# Altium PCB nanoga_mezzanine.PcbDoc (part 2 of 3)
Units mm, origin at the board's own origin, x right, y up, seen from the top; angles counter-clockwise.
Board outline 100.05 x 34.55 mm, 6 copper layers (Top Layer, MidLayer1, MidLayer2, MidLayer3, MidLayer4, Bottom Layer), stack 1.096 mm thick; 318 components, 196 nets, 930 pads, 394 vias.
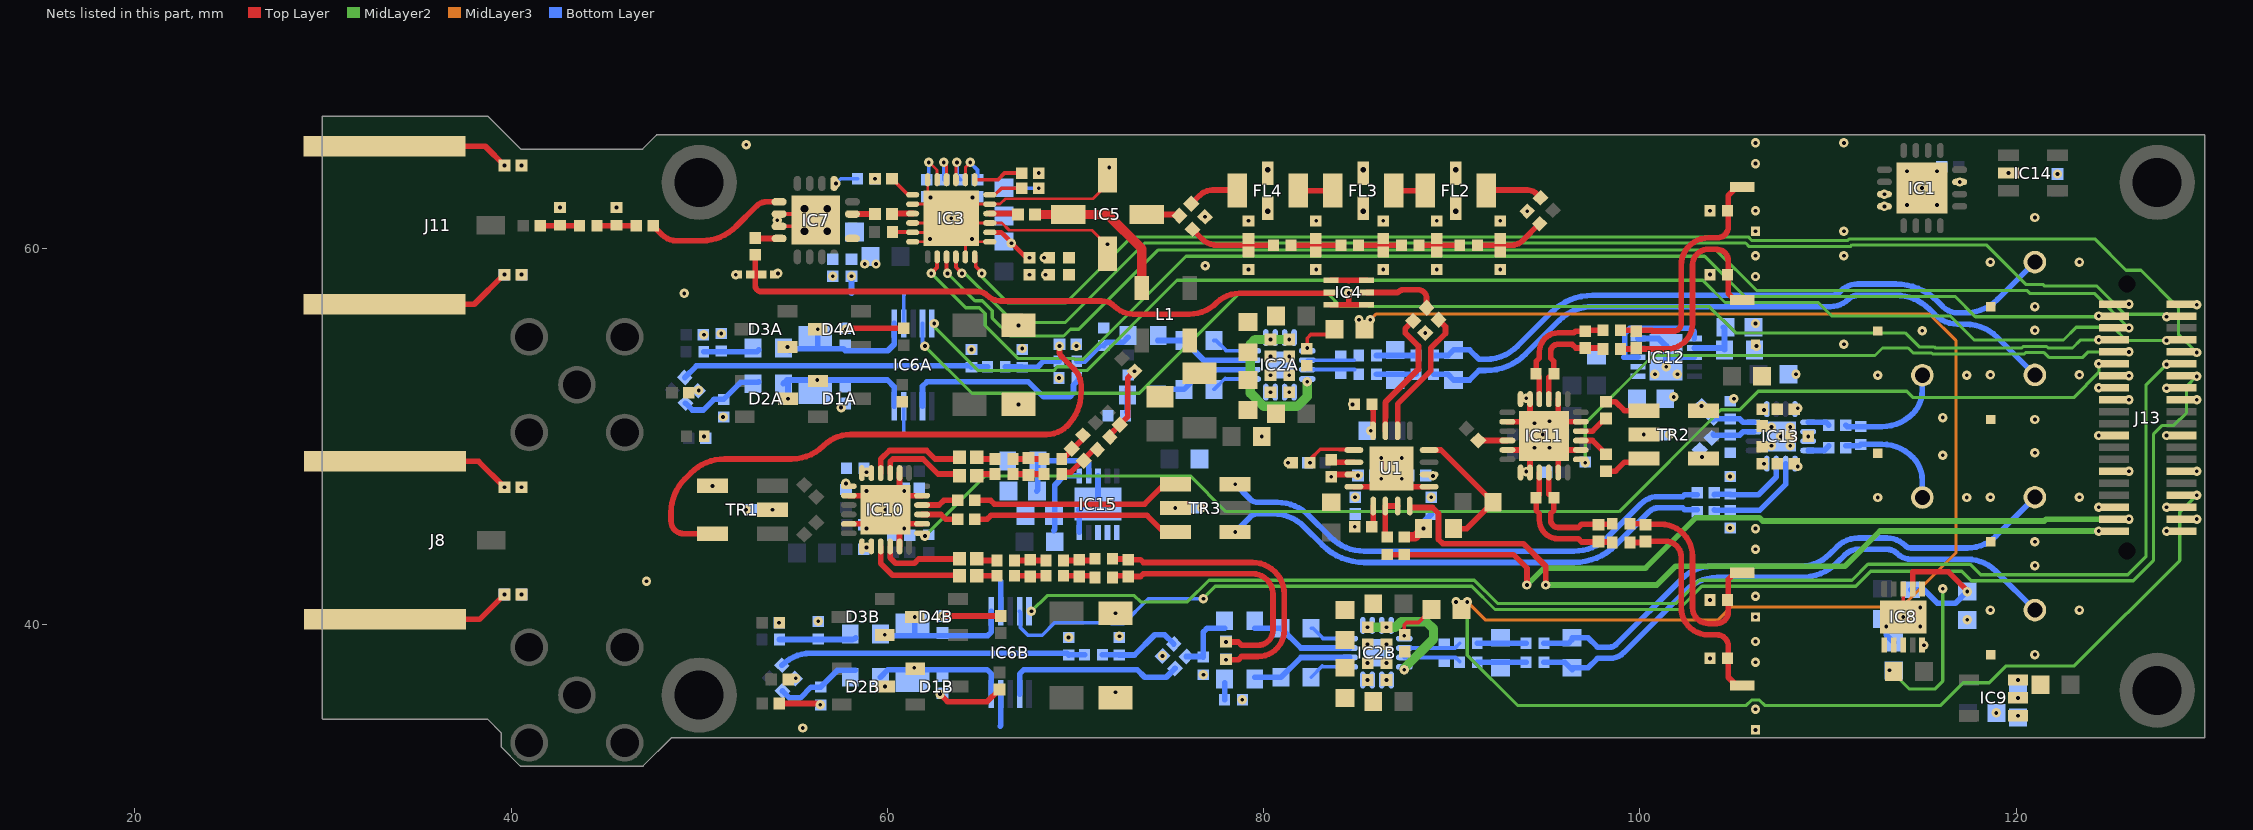
[diagram p6: the nets of this part, all layers, seen from the top]

## Part data (continued)
C78 C83 C86 C92: library part CC0402_10UF_6.3V_20%_X5R, "Non-polarised capacitor", Case=0402, Manufacturer=GENERIC, Manufacturer1 ComponentHeight=0.70mm, Manufacturer1 Example=TDK, Manufacturer1 Part Number=C1005X5R0J106M050BC, Tolerance=±10%, Voltage=6.3V, Author="CERN DEM JLC", Component Type=Standard, CreateDate=2015-01-07, HelpURL=\\cern.ch\dfs\Applications\Altium\Datasheets\CC0402_X5R_TDK_C.pdf, LatestRevisionDate=2015-01-07, Manufacturer Part Number=CC0402_10UF_6.3V_20%_X5R, Mounted=Yes, Part Description="SMD Multilayer Chip Ceramic Capacitor", Part Number=CC0402_10UF_6.3V_20%_X5R, Pin Count=2, Sense=No, SMD=Yes, Socket=No, Status=Preferred, TC=X5R
D1A D1B D2A D2B D3A D3B D4A D4B: "Serial Diode", Case=SOT23-3, Manufacturer="NXP SEMICONDUCTORS", Power=250mW, Voltage=75V, Author="CERN DEM JMW", Bonding=No, ComponentHeight=1.1mm, Component Type=Standard, CreateDate=2008-11-21, Device=BAV199, HelpURL=\\cern.ch\dfs\Applications\Altium\Datasheets\BAV199.pdf, LatestRevisionDate=2008-11-21, Manufacturer Part Number=BAV199, Mounted=Yes, PackageDescription="SOT23 3-Leads, Pitch 0.95mm - Body 1.4x3mm, IPC Medium Density", Part Description="Low-Leakage Double Diode", Part Number=BAV199, Pin Count=3, PressFit=No, Sense=No, SMD=Yes, Socket=No
FL2 FL3 FL4: library part FIL_MINI-CIRCUITS_LFCN-3000+, "50 Ohm DC to 3000MHz Low Pass Filter", Manufacturer=MINI-CIRCUITS, Manufacturer Part Number=LFCN-3000+, Author="CERN DEM JLC", ComponentHeight=0.94mm, Component Type=Standard, CreateDate=2013-12-09, HelpURL=\\cern.ch\dfs\Applications\Altium\Datasheets\FIL_MINI-CIRCUITS_LFCN-3000+.pdf, LatestRevisionDate=2013-12-09, Mounted=Yes, Part Description="50 Ohm Low Pass Filter", Part Number=FIL_MINI-CIRCUITS_LFCN-3000+, Pin Count=2, Sense=No, SMD=Yes, Socket=No, Status=None
IC1: "±0.25°C Accurate, 16-Bit Digital I2C Temperature Sensor", Case=QFN16, Manufacturer="ANALOG DEVICES", Author="CERN DEM JLC", Bonding=No, ComponentHeight=0.8mm, Component Type=Standard, CreateDate=2013-02-21, Device=ADT7420UCPZ-R2, HelpURL=\\cern.ch\dfs\Applications\Altium\Datasheets\ADT7420UCPZ-R2.pdf, LatestRevisionDate=2013-02-21, Manufacturer Part Number=ADT7420UCPZ-R2, Mounted=Yes, PackageDescription="QFN, 0.65mm Pitch, Square; 16 Pin, 4.00mm L X 4.00mm W X 0.80mm H Body (w/thermal tab 2.7 X 2.7mm),  IPC Medium Density", Part Description="-20° to +105°C ±0.25°C Accurate, 16-Bit Digital I2C Temperature Sensor", Part Number=ADT7420UCPZ-R2, Pin Count=8, PressFit=No, Sense=No, SMD=Yes, Socket=No
IC2A IC2B: "Ultralow Distortion Current Feedback Differential ADC Driver", Case=QFN16, Manufacturer="ANALOG DEVICES", Author="CERN DEM JLC", Bonding=No, ComponentHeight=1mm, Component Type=Standard, CreateDate=19.04.2010, Device=ADA4927-1YCPZ-R2, HelpURL=\\cern.ch\dfs\Applications\Altium\Datasheets\ADA4927-1YCPZ-R2.pdf, LatestRevisionDate=19.04.2010, Manufacturer Part Number=ADA4927-1YCPZ-R2, Mounted=Yes, PackageDescription="QFN,0.50mm pitch,square; 4 pin X 4 pin, 3mm X 3mm X 1.00mm H body (w/thermal tab 1.45 X 1.45mm),  IPC Medium Density", Part Description="Ultralow Distortion Current Feedback Differential ADC Driver", Part Number=ADA4927-1YCPZ-R2, Pin Count=17, PressFit=No, Sense=No, SMD=Yes, Socket=No
IC3: "0.5dB LSB GaAs MMIC 6-bit Digital Serial Control Attenuator, DC - 4GHz", Case=QFN24, Manufacturer="HITTITE MICROWAVE CORP", Author="CERN DEM JMW", Bonding=No, ComponentHeight=1mm, Component Type=Standard, CreateDate=2016-08-17, Device=HMC542BLP4E, HelpURL=\\cern.ch\dfs\Applications\Altium\Datasheets\HMC542BLP4E.pdf, LatestRevisionDate=2016-08-17, Manufacturer Part Number=HMC542BLP4E, Mounted=Yes, PackageDescription="QFN, 0.50mm Pitch, Square; 24 Pin, 4.00mm L X 4.00mm W X 1.00mm H Body (w/thermal Tab 2.95 X 2.95mm), IPC Medium Density", Part Description="0.5dB LSB GaAs MMIC 6-bit Digital Serial Control Attenuator, DC to 4GHz", Part Number=HMC542BLP4E, Pin Count=25, PressFit=No, Sense=No, SMD=Yes, Socket=No
IC4: "DC to 18GHz, 2W, 50 Ohm, 4dB Attenuator", Manufacturer=MINI-CIRCUITS, Author="CERN DEM JLC", Bonding=No, ComponentHeight=0.85mm, Component Type=Standard, CreateDate=2015-04-20, Device=YAT-12+, HelpURL=\\cern.ch\dfs\Applications\Altium\Datasheets\YAT-12+.pdf, LatestRevisionDate=2015-04-20, Manufacturer Part Number=YAT-12+, Mounted=Yes, PackageDescription="MINI-CIRCUITS MC1630 Case, 0.65mm pitch, 6 pin, 2mm X 2mm X 0.85mm H body (w/thermal tab 0.65 X 1.25mm)", Part Description="DC to 18GHz, 2W, 50 Ohms, 12dB Attenuator", Part Number=YAT-12+, Pin Count=7, PressFit=No, Sense=No, SMD=Yes, Socket=No
IC5: "DC-4GHz Monolithic Amplifier", Manufacturer=MINI-CIRCUITS, Author="CERN DEM JMW", Bonding=No, ComponentHeight=1.52mm, Component Type=Standard, CreateDate=11.08.2016, Device=ERA-4XSM+, HelpURL=\\cern.ch\dfs\Applications\Altium\Datasheets\ERA-4XSM+.pdf, LatestRevisionDate=11.08.2016, Manufacturer Part Number=ERA-4XSM+, Mounted=Yes, PackageDescription="MINI-CIRCUITS WW107 Case, Body 2.16mm Diameter X 1.52mm H", Part Description="DC-4GHz Monolithic Amplifier", Part Number=ERA-4XSM+, Pin Count=4, PressFit=No, Sense=No, SMD=Yes, Socket=No
IC6A IC6B: "10MHz, 20V/us, G= 1, 10, 100, 1000 iCMOS Programmable Gain Instrumentation Amplifier", Case=MSOP10, Manufacturer="ANALOG DEVICES", Author="CERN DEM JLC", Bonding=No, ComponentHeight=1.1mm, Component Type=Standard, CreateDate=2013-10-02, Device=AD8253ARMZ, HelpURL=\\cern.ch\dfs\Applications\Altium\Datasheets\AD8253ARMZ.pdf, LatestRevisionDate=2013-10-02, Manufacturer Part Number=AD8253ARMZ, Mounted=Yes, PackageDescription="MSOP, 10-Leads, Body 3.1x3.1mm (max), Pitch 0.50mm, IPC Medium Density", Part Description="10MHz, 20V/us, G= 1, 10, 100, 1000 iCMOS Programmable Gain Instrumentation Amplifier", Part Number=AD8253ARMZ, Pin Count=8, PressFit=No, Sense=No, SMD=Yes, Socket=No
IC7: "Hittite RF Switch, SPDT, Non-Reflective"
IC8 IC12 IC15: "20V, 500mA, Ultralow Noise, Ultrahigh PSRR Linear Regulator", Case=SON10, Manufacturer="LINEAR TECHNOLOGY", Author="CERN DEM JLC", Bonding=No, ComponentHeight=0.8mm, Component Type=Standard, CreateDate=2016-12-07, Device=LT3045EDD#PBF, HelpURL=\\cern.ch\dfs\Applications\Altium\Datasheets\LT3045EDD#PBF.pdf, LatestRevisionDate=2016-12-07, Manufacturer Part Number=LT3045EDD#PBF, Mounted=Yes, PackageDescription="SON, 0.50mm Pitch, 10-pin, 3.00mm W  X 3.00mm L X 0.80mm Height, (w/thermal tab 1.75 X 2.48 mm), IPC Medium Density", Part Description="20V, 500mA, Ultralow Noise, Ultrahigh PSRR Linear Regulator", Part Number=LT3045EDD#PBF, Pin Count=11, PressFit=No, Sense=No, SMD=Yes, Socket=No
IC9: "–5V, 200 mA, Low Noise, Linear Regulator", Case=SOT23-5, Manufacturer="ANALOG DEVICES", Author="CERN DEM JLC", Bonding=No, ComponentHeight=0.9mm, Component Type=Standard, CreateDate=17.03.2014, Device=ADP7182AUJZ-5.0-R7, HelpURL=\\cern.ch\dfs\Applications\Altium\Datasheets\ADP7182AUJZ-5.0-R7.pdf, LatestRevisionDate=17.03.2014, Manufacturer Part Number=ADP7182AUJZ-5.0-R7, Mounted=Yes, PackageDescription="SOT23, 0.95mm pitch; 5 pin, 1.75mm W X 3.00mm L, IPC Medium Density", Part Description="–5V, -200mA, Low Noise, Linear Regulator", Part Number=ADP7182AUJZ-5.0-R7, Pin Count=5, PressFit=No, Sense=No, SMD=Yes, Socket=No
IC10: "400 MHz to 6 GHz Quadrature Demodulator", Case=QFN24, Manufacturer="ANALOG DEVICES", Author="CERN DEM JLC", Bonding=No, ComponentHeight=1mm, Component Type=Standard, CreateDate=2011-01-24, Device=ADL5380ACPZ-R7, HelpURL=\\cern.ch\dfs\Applications\Altium\Datasheets\ADL5380ACPZ-R7.pdf, LatestRevisionDate=2011-01-24, Manufacturer Part Number=ADL5380ACPZ-R7, Mounted=Yes, PackageDescription="QFN,0.50mm pitch,square;6 pin X 6 pin,4.0mm X 4.0mm X 1.00mm H body (w/thermal tab 2.65 X 2.65mm),  IPC Medium Density", Part Description="400 MHz to 6 GHz Quadrature Demodulator", Part Number=ADL5380ACPZ-R7, Pin Count=25, PressFit=No, Sense=No, SMD=Yes, Socket=No
IC11: "400 MHz to 6 GHz Broadband Quadrature Modulator", Case=QFN24, Manufacturer="ANALOG DEVICES", Author="CERN DEM JLC", Bonding=No, ComponentHeight=1mm, Component Type=Standard, CreateDate=2010-08-24, Device=ADL5375-05ACPZ-R7, HelpURL=\\cern.ch\dfs\Applications\Altium\Datasheets\ADL5375-05ACPZ-R7.pdf, LatestRevisionDate=2010-08-24, Manufacturer Part Number=ADL5375-05ACPZ-R7, Mounted=Yes, PackageDescription="QFN,0.50mm pitch,square;6 pin X 6 pin,4.0mm X 4.0mm X 1.00mm H body (w/thermal tab 2.65 X 2.65mm),  IPC Medium Density", Part Description="400 MHz to 6 GHz Broadband Quadrature Modulator", Part Number=ADL5375-05ACPZ-R7, Pin Count=25, PressFit=No, Sense=No, SMD=Yes, Socket=No
IC13: "2.5V/3.3V, Four LVPECL Outputs, SiGe Clock Fanout Buffer", Case=QFN16, Manufacturer="ANALOG DEVICES", Author="CERN DEM JLC", Bonding=No, ComponentHeight=0.8mm, Component Type=Standard, CreateDate=2014-07-17, Device=ADCLK944BCPZ, HelpURL=\\cern.ch\dfs\Applications\Altium\Datasheets\ADCLK944BCPZ.pdf, LatestRevisionDate=2014-07-17, Manufacturer Part Number=ADCLK944BCPZ, Mounted=Yes, PackageDescription="QFN, 0.50mm Pitch, Square; 4 Pin X 4 Pin, 3mm X 3mm X 0.80mm H Body (w/Thermal tab 1.60 X 1.60mm),  IPC Medium Density", Part Description="2.5V/3.3V, Four LVPECL Outputs, SiGe Clock Fanout Buffer", Part Number=ADCLK944BCPZ, Pin Count=17, PressFit=No, Sense=No, SMD=Yes, Socket=No
IC14: "1.7V-5.5V, 2K I2C Serial EEPROM With EUI-48 Node Identity", Case=SOT23-5, Manufacturer="MICROCHIP TECHNOLOGY", Author="CERN DEM MR", Bonding=No, ComponentHeight=1.45mm, Component Type=Standard, CreateDate=31.03.2016, Device=24AA02E48T-I/OT, HelpURL=\\cern.ch\dfs\Applications\Altium\Datasheets\24AA02E48T-I-OT.pdf, LatestRevisionDate=31.03.2016, Manufacturer Part Number=24AA02E48T-I/OT, Mounted=Yes, PackageDescription="SOT, 0.95mm pitch; 5 pin, 1.60mm W X 2.90mm L X 1.45mm H body, IPC Medium Density", Part Description="1.7V-5.5V, 2K I2C Serial EEPROM With EUI-48 Node Identity", Part Number=24AA02E48T-I/OT, Pin Count=5, PressFit=No, Sense=No, SMD=Yes, Socket=No
J1 J3 J4 J6 J14 J15: "50 Ohms, SMP Surface/THT Mount Plug, Limited Detent", Manufacturer=AMPHENOL, Manufacturer Part Number=SMP-MSLD-PCT-10, Part Number=AMPHENOL_SMP-MSLD-PCT-10, Author=GK, ComponentHeight=4.1mm, Component Type=Standard, CreateDate=11.11.2016, Family=SMP, HelpURL=\\cern.ch\dfs\Applications\Altium\Datasheets\MOLEX_85305-0232.pdf, LatestRevisionDate=11.11.2016, Mounted=Yes, Part Description="50 Ohms, SMP Surface Mount Plug, Limited Detent", Pin Count=2, PressFit=No, Sense=No, SMD=No, Socket=No, Status=None
J2 J5: "RiSMA 50 Ohms Right Angle PCB Jack", Manufacturer=Telegartner, Manufacturer Part Number=J01151A0921, Part Number=Telegartner_J01151A0921, Author=GK, ComponentHeight=9.6mm, Component Type=Standard, CreateDate=11.11.2016, Family=SMA, HelpURL=\\cern.ch\dfs\Applications\Altium\Datasheets\HUBER-SUHNER_85_SMA-50-0-101-111_NE.pdf, LatestRevisionDate=11.11.2016, Mounted=Yes, Part Description="SMA 50 Ohms Right Angle PCB Jack", Pin Count=2, PressFit=No, Sense=No, SMD=No, Socket=No, Status=None
J7 J9 J10 J12: library part MOLEX_85305-0232, Manufacturer=MOLEX, Manufacturer Part Number=85305-0232, Author="CERN DEM JMW", ComponentHeight=4.1mm, Component Type=Standard, CreateDate=09.08.2016, Family=SMP, HelpURL=\\cern.ch\dfs\Applications\Altium\Datasheets\MOLEX_85305-0232.pdf, LatestRevisionDate=09.08.2016, Mounted=Yes, Part Description="50 Ohms, SMP Surface Mount Plug, Limited Detent", Part Number=MOLEX_85305-0232, Pin Count=2, PressFit=No, Sense=No, SMD=Yes, Socket=No, Status=None
J8 J11: library part TELEGARTNER_J01151A0451, Manufacturer=TELEGARTNER, Manufacturer Part Number=J01151A0451, Author="CERN DEM JLC", ComponentHeight=7mm, Component Type=Standard, CreateDate=27.10.2016, Family=SMA, HelpURL=\\cern.ch\dfs\Applications\Altium\Datasheets\TELEGARTNER_J01151A0451.pdf, LatestRevisionDate=27.10.2016, Mounted=Yes, Part Description="SMA 50 ohms Edge Mount Bulkhead Jack Receptacle", Part Number=TELEGARTNER_J01151A0451, Pin Count=2, PressFit=No, Sense=No, SMD=No, Socket=No, Status=None
J13: "40 Contacts, Pitch 0.635mm, Razor Beam LSS Vertical High Speed Hermaphroditic Strip (Lead Style 7.49mm)", Manufacturer=SAMTEC, Manufacturer Part Number=LSS-120-02-L-DV-A, Part Number=SAMTEC_LSS-120-02-L-DV-A, Author="CERN DEM JMW", ComponentHeight=5.57mm, Component Type=Standard, CreateDate=10.11.2015, HelpURL=\\cern.ch\dfs\Applications\Altium\Datasheets\SAMTEC_LSS-120-03-L-DV-A.pdf, LatestRevisionDate=10.11.2015, Mounted=Yes, Part Description="40 Contacts, Pitch 0.635mm, Razor Beam LSS Vertical High Speed Hermaphroditic Strip (Lead Style 5.49mm)", Pin Count=40, PressFit=No, Sense=No, SMD=Yes, Socket=No, Status=None
L1: library part IND_MINI-CIRCUITS_TCCH-80+, "50 Ohms, 50 to 8200 MHz RF Choke", Manufacturer=MINI-CIRCUITS, Manufacturer Part Number=TCCH-80+, Power=200mA, Resistance=0.1R, Author="CERN DEM JLC", ComponentHeight=3.81mm, Component Type=Standard, CreateDate=2011-12-19, HelpURL=\\cern.ch\dfs\Applications\Altium\Datasheets\IND_MINI-CIRCUITS_TCCH-80+.pdf, LatestRevisionDate=2011-12-19, Mounted=Yes, Part Description="50 Ohms, 50 to 8200 MHz RF Choke", Part Number=IND_MINI-CIRCUITS_TCCH-80+, Pin Count=4, Sense=No, SMD=Yes, Socket=No, Status=None
L2A L2B L3A L3B L4 L5A L5B L6 L7 L8 L9 L10 L11 L12 L13 L14: library part IND0603_TDK_MPZ1608R391A, "Inductor", Case=0603, Manufacturer=TDK, Manufacturer Part Number=MPZ1608R391A, Power=1.2A, Resistance=0.12R, Tolerance=±25%, Author="CERN DEM JLC", ComponentHeight=0.95mm, Component Type=Standard, CreateDate=2009-12-02, HelpURL=\\cern.ch\dfs\Applications\Altium\Datasheets\IND0603_TDK_MPZ1608.pdf, LatestRevisionDate=2009-12-02, Mounted=Yes, Part Description="SMT Chip Bead for Power Line", Part Number=IND0603_TDK_MPZ1608R391A, Pin Count=2, Sense=No, SMD=Yes, Socket=No, Status=None
R1A R1B R9A R9B R13A R13B R22A R22B: library part R0603_332R_0.1%_0.063W_10PPM, "Resistor - 0.1%", Case=0603, Manufacturer=GENERIC, Manufacturer1 ComponentHeight=0.5mm, Manufacturer1 Example="TYCO HOLSWORTHY", Manufacturer1 Part Number=RN73C1J332RBTDF, Power=0.063W, Tolerance=±0.1%, Author="CERN DEM JLC", Component Type=Standard, CreateDate=03.12.2007, HelpURL=\\cern.ch\dfs\Applications\Altium\Datasheets\R0603_Tyco_RN73.pdf, LatestRevisionDate=13.03.2008, Manufacturer Part Number=R0603_332R_0.1%_0.063W_10PPM, Mounted=Yes, Part Description="Thin Film Chip Resistor", Part Number=R0603_332R_0.1%_0.063W_10PPM, Pin Count=2, Sense=No, SMD=Yes, Socket=No, Status="Not recommended", TC=±10ppm
R2 R3 R4 R6A R6B R7A R7B R8A R8B R10A R10B R11A R11B R12A R12B R14A R14B R15A R15B R21A R21B R35A R35B R43 R44 R45 R46 R47 R48 R49 R50 R51 R52 R53 R54 R55 R56 R57 R58 R59 R60 R68 R69 R73 R74 R75 R76 R79 R80 R81 R82 R83 R84 R85 R86 R87 R88 R89 R90 R93 R96 R98 R99: library part R0402_0R_JUMPER, "Resistor", Case=0402, Manufacturer=GENERIC, Manufacturer1 ComponentHeight=0.4mm, Manufacturer1 Example="YAGEO PHYCOMP", Manufacturer1 Part Number=232270591001L, Author="CERN DEM JLC", Component Type=Standard, CreateDate=2007-12-03, HelpURL=\\cern.ch\dfs\Applications\Altium\Datasheets\R0402_Phycomp_RC0402.pdf, LatestRevisionDate=2012-10-17, Manufacturer Part Number=R0402_0R_JUMPER, Part Description="1A (0.05R Max DC Resistance) Zero Ohm Jumper", Part Number=R0402_0R_JUMPER, Pin Count=2, Sense=No, SMD=Yes, Socket=No, Status="Not recommended"
  R2 R6A R6B R7A R7B R8A R8B R10A R10B R11A R11B R12A R12B R21A R21B R35A R35B R48 R49 R50 R51 R57 R58 R59 R60 R68 R69 R73 R74 R75 R76 R80 R81 R82 R83 R84 R85 R87 R88 R89 R93 R96 R98 R99: Mounted=Yes
  R3 R4 R14A R14B R15A R15B R43 R44 R45 R46 R47 R52 R53 R54 R55 R56 R79 R86 R90: Mounted=DNP
R5: library part R1206_100R_1%_0.25W_100PPM, "Resistor - 1%", Case=1206, Manufacturer=GENERIC, Manufacturer1 ComponentHeight=0.65mm, Manufacturer1 Example="NIC COMPONENT", Manufacturer1 Part Number=NRC12F4700TRF, Power=0.25W, Tolerance=±1%, Author="CERN DEM JLC", Component Type=Standard, CreateDate=2007-12-03, HelpURL=\\cern.ch\dfs\Applications\Altium\Datasheets\R1206_NIC_NRC.pdf, LatestRevisionDate=2008-03-13, Manufacturer Part Number=R1206_100R_1%_0.25W_100PPM, Mounted=Yes, Part Description="General Purpose Thick Film Chip Resistor", Part Number=R1206_100R_1%_0.25W_100PPM, Pin Count=2, Sense=No, SMD=Yes, Socket=No, Status=Preferred, TC=±100ppm/°C
R16A R16B R24A R24B: library part R0402_56R_1%_0.0625W_100PPM, "Resistor - 1%", Case=0402, Manufacturer=GENERIC, Manufacturer1 ComponentHeight=0.4mm, Manufacturer1 Example="YAGEO PHYCOMP", Manufacturer1 Part Number=232270675609L, Power=0.0625W, Tolerance=±1%, Author="CERN DEM JLC", Component Type=Standard, CreateDate=03.12.2007, HelpURL=\\cern.ch\dfs\Applications\Altium\Datasheets\R0402_Phycomp_RC0402.pdf, LatestRevisionDate=17.10.2012, Manufacturer Part Number=R0402_56R_1%_0.0625W_100PPM, Mounted=Yes, Part Description="General Purpose Thick Film Chip Resistor", Part Number=R0402_56R_1%_0.0625W_100PPM, Pin Count=2, Sense=No, SMD=Yes, Socket=No, Status="Not recommended", TC=±100ppm/°C
R17: library part R0402_100R_1%_0.0625W_100PPM, "Resistor - 1%", Case=0402, Manufacturer=GENERIC, Manufacturer1 ComponentHeight=0.4mm, Manufacturer1 Example="YAGEO PHYCOMP", Manufacturer1 Part Number=232270671001L, Power=0.0625W, Tolerance=±1%, Author="CERN DEM JLC", Component Type=Standard, CreateDate=03.12.2007, HelpURL=\\cern.ch\dfs\Applications\Altium\Datasheets\R0402_Phycomp_RC0402.pdf, LatestRevisionDate=17.10.2012, Manufacturer Part Number=R0402_100R_1%_0.0625W_100PPM, Mounted=DNP, Part Description="General Purpose Thick Film Chip Resistor", Part Number=R0402_100R_1%_0.0625W_100PPM, Pin Count=2, Sense=No, SMD=Yes, Socket=No, Status="Not recommended", TC=±100ppm/°C
R18 R19: library part R0201_100R_1%_0.05W_200PPM, "Resistor - 1%", Case=0201, Manufacturer=GENERIC, Manufacturer1 ComponentHeight=0.27mm, Manufacturer1 Example=VISHAY, Manufacturer1 Part Number=CRCW0201100RFNED, Power=0.05W, Tolerance=±1%, Author="CERN DEM JLC", Component Type=Standard, CreateDate=2014-11-13, HelpURL="\\cern.ch\dfs\Applications\Altium\Datasheets\R0201_VISHAY_CRCW e3.pdf", LatestRevisionDate=2014-11-13, Manufacturer Part Number=R0201_100R_1%_0.05W_200PPM, Mounted=Yes, Part Description="Thick Film Chip Resistor", Part Number=R0201_100R_1%_0.05W_200PPM, Pin Count=2, Sense=No, SMD=Yes, Socket=No, Status="Not recommended", TC=±200ppm/°C
R20 R23: library part R0402_4K7_1%_0.0625W_100PPM, "Resistor - 1%", Case=0402, Manufacturer=GENERIC, Manufacturer1 ComponentHeight=0.4mm, Manufacturer1 Example="YAGEO PHYCOMP", Manufacturer1 Part Number=232270674702L, Power=0.0625W, Tolerance=±1%, Author="CERN DEM JLC", Component Type=Standard, CreateDate=2007-12-03, HelpURL=\\cern.ch\dfs\Applications\Altium\Datasheets\R0402_Phycomp_RC0402.pdf, LatestRevisionDate=2012-10-17, Manufacturer Part Number=R0402_4K7_1%_0.0625W_100PPM, Mounted=Yes, Part Description="General Purpose Thick Film Chip Resistor", Part Number=R0402_4K7_1%_0.0625W_100PPM, Pin Count=2, Sense=No, SMD=Yes, Socket=No, Status="Not recommended", TC=±100ppm/°C
R25: library part R0603_1K4_0.1%_0.063W_10PPM, "Resistor - 0.1%", Case=0603, Manufacturer=GENERIC, Manufacturer1 ComponentHeight=0.5mm, Manufacturer1 Example="TYCO HOLSWORTHY", Manufacturer1 Part Number=RN73C1J1K4BTDF, Power=0.063W, Tolerance=±0.1%, Author="CERN DEM JLC", Component Type=Standard, CreateDate=2007-12-03, HelpURL=\\cern.ch\dfs\Applications\Altium\Datasheets\R0603_Tyco_RN73.pdf, LatestRevisionDate=2008-03-13, Manufacturer Part Number=R0603_1K4_0.1%_0.063W_10PPM, Mounted=Yes, Part Description="Thin Film Chip Resistor", Part Number=R0603_1K4_0.1%_0.063W_10PPM, Pin Count=2, Sense=No, SMD=Yes, Socket=No, Status="Not recommended", TC=±10ppm
R26 R27 R31 R41A R41B: library part R0402_1K_1%_0.0625W_100PPM, "Resistor - 1%", Case=0402, Manufacturer=GENERIC, Manufacturer1 ComponentHeight=0.4mm, Manufacturer1 Example="YAGEO PHYCOMP", Manufacturer1 Part Number=232270671002L, Power=0.0625W, Tolerance=±1%, Author="CERN DEM JLC", Component Type=Standard, CreateDate=2007-12-03, HelpURL=\\cern.ch\dfs\Applications\Altium\Datasheets\R0402_Phycomp_RC0402.pdf, LatestRevisionDate=2012-10-17, Manufacturer Part Number=R0402_1K_1%_0.0625W_100PPM, Mounted=Yes, Part Description="General Purpose Thick Film Chip Resistor", Part Number=R0402_1K_1%_0.0625W_100PPM, Pin Count=2, Sense=No, SMD=Yes, Socket=No, Status="Not recommended", TC=±100ppm/°C
R28: library part R0603_845R_0.1%_0.063W_10PPM, "Resistor - 0.1%", Case=0603, Manufacturer=GENERIC, Manufacturer1 ComponentHeight=0.5mm, Manufacturer1 Example="TYCO HOLSWORTHY", Manufacturer1 Part Number=RN73C1J845RBTDF, Power=0.063W, Tolerance=±0.1%, Author="CERN DEM JLC", Component Type=Standard, CreateDate=2007-12-03, HelpURL=\\cern.ch\dfs\Applications\Altium\Datasheets\R0603_Tyco_RN73.pdf, LatestRevisionDate=2008-03-13, Manufacturer Part Number=R0603_845R_0.1%_0.063W_10PPM, Mounted=Yes, Part Description="Thin Film Chip Resistor", Part Number=R0603_845R_0.1%_0.063W_10PPM, Pin Count=2, Sense=No, SMD=Yes, Socket=No, Status="Not recommended", TC=±10ppm
R29: library part R0603_3K24_0.1%_0.063W_10PPM, "Resistor - 0.1%", Case=0603, Manufacturer=GENERIC, Manufacturer1 ComponentHeight=0.5mm, Manufacturer1 Example="TYCO HOLSWORTHY", Manufacturer1 Part Number=RN73C1J3K24BTDF, Power=0.063W, Tolerance=±0.1%, Author="CERN DEM JLC", Component Type=Standard, CreateDate=2007-12-03, HelpURL=\\cern.ch\dfs\Applications\Altium\Datasheets\R0603_Tyco_RN73.pdf, LatestRevisionDate=2008-03-13, Manufacturer Part Number=R0603_3K24_0.1%_0.063W_10PPM, Mounted=Yes, Part Description="Thin Film Chip Resistor", Part Number=R0603_3K24_0.1%_0.063W_10PPM, Pin Count=2, Sense=No, SMD=Yes, Socket=No, Status="Not recommended", TC=±10ppm
R30: library part R0402_13K_1%_0.0625W_100PPM, "Resistor - 1%", Case=0402, Manufacturer=GENERIC, Manufacturer1 ComponentHeight=0.4mm, Manufacturer1 Example="YAGEO PHYCOMP", Manufacturer1 Part Number=232270671303L, Power=0.0625W, Tolerance=±1%, Author="CERN DEM JLC", Component Type=Standard, CreateDate=2007-12-03, HelpURL=\\cern.ch\dfs\Applications\Altium\Datasheets\R0402_Phycomp_RC0402.pdf, LatestRevisionDate=2012-10-17, Manufacturer Part Number=R0402_13K_1%_0.0625W_100PPM, Mounted=Yes, Part Description="General Purpose Thick Film Chip Resistor", Part Number=R0402_13K_1%_0.0625W_100PPM, Pin Count=2, Sense=No, SMD=Yes, Socket=No, Status="Not recommended", TC=±100ppm/°C
R32 R38 R78: library part R0402_10K_1%_0.0625W_100PPM, "Resistor - 1%", Case=0402, Manufacturer=GENERIC, Manufacturer1 ComponentHeight=0.4mm, Manufacturer1 Example="YAGEO PHYCOMP", Manufacturer1 Part Number=232270671003L, Power=0.0625W, Tolerance=±1%, Author="CERN DEM JLC", Component Type=Standard, CreateDate=2007-12-03, HelpURL=\\cern.ch\dfs\Applications\Altium\Datasheets\R0402_Phycomp_RC0402.pdf, LatestRevisionDate=2012-10-17, Manufacturer Part Number=R0402_10K_1%_0.0625W_100PPM, Mounted=Yes, Part Description="General Purpose Thick Film Chip Resistor", Part Number=R0402_10K_1%_0.0625W_100PPM, Pin Count=2, Sense=No, SMD=Yes, Socket=No, Status="Not recommended", TC=±100ppm/°C
R33A R33B R36A R36B: library part R0603_1K5_0.1%_0.063W_10PPM, "Resistor - 0.1%", Case=0603, Manufacturer=GENERIC, Manufacturer1 ComponentHeight=0.5mm, Manufacturer1 Example="TYCO HOLSWORTHY", Manufacturer1 Part Number=RN73C1J1K5BTDF, Power=0.063W, Tolerance=±0.1%, Author="CERN DEM JLC", Component Type=Standard, CreateDate=2007-12-03, HelpURL=\\cern.ch\dfs\Applications\Altium\Datasheets\R0603_Tyco_RN73.pdf, LatestRevisionDate=2008-03-13, Manufacturer Part Number=R0603_1K5_0.1%_0.063W_10PPM, Mounted=Yes, Part Description="Thin Film Chip Resistor", Part Number=R0603_1K5_0.1%_0.063W_10PPM, Pin Count=2, Sense=No, SMD=Yes, Socket=No, Status="Not recommended", TC=±10ppm
R34A R34B R37A R37B: library part R0402_100K_0.1%_0.063W_25PPM, "Resistor - 0.1%", Case=0402, Manufacturer=GENERIC, Manufacturer1 ComponentHeight=0.35mm, Manufacturer1 Example="TE CONNECTIVITY", Manufacturer1 Part Number=CPF0402B100KE1, Power=0.063W, Tolerance=±0.1%, Author="CERN DEM JMW", Component Type=Standard, CreateDate=2015-09-22, HelpURL=\\cern.ch\dfs\Applications\Altium\Datasheets\R0402_TYCO_CPF.pdf, LatestRevisionDate=2015-09-22, Manufacturer Part Number=R0402_100K_0.1%_0.063W_25PPM, Mounted=Yes, Part Description="Thin Film Precision Resistor", Part Number=R0402_100K_0.1%_0.063W_25PPM, Pin Count=2, Sense=No, SMD=Yes, Socket=No, Status="Not Recommended", TC=±25ppm/°C
R39: library part R0603_49K9_0.1%_0.063W_10PPM, "Resistor - 0.1%", Case=0603, Manufacturer=GENERIC, Manufacturer1 ComponentHeight=0.5mm, Manufacturer1 Example="TYCO HOLSWORTHY", Manufacturer1 Part Number=RN73C1J49K9BTDF, Power=0.063W, Tolerance=±0.1%, Author="CERN DEM JLC", Component Type=Standard, CreateDate=2007-12-03, HelpURL=\\cern.ch\dfs\Applications\Altium\Datasheets\R0603_Tyco_RN73.pdf, LatestRevisionDate=2008-03-13, Manufacturer Part Number=R0603_49K9_0.1%_0.063W_10PPM, Mounted=Yes, Part Description="Thin Film Chip Resistor", Part Number=R0603_49K9_0.1%_0.063W_10PPM, Pin Count=2, Sense=No, SMD=Yes, Socket=No, Status="Not recommended", TC=±10ppm
R40A R40B R42A R42B: library part R0402_49R9_1%_0.0625W_100PPM, "Resistor - 1%", Case=0402, Manufacturer=GENERIC, Manufacturer1 ComponentHeight=0.4mm, Manufacturer1 Example="YAGEO PHYCOMP", Manufacturer1 Part Number="232270674999L or RC0402FR-0749R9L", Power=0.0625W, Tolerance=±1%, Author="CERN DEM JLC", Component Type=Standard, CreateDate=24.10.2012, HelpURL=\\cern.ch\dfs\Applications\Altium\Datasheets\R0402_Phycomp_RC0402.pdf, LatestRevisionDate=24.10.2012, Manufacturer Part Number=R0402_49R9_1%_0.0625W_100PPM, Mounted=Yes, Part Description="General Purpose Thick Film Chip Resistor", Part Number=R0402_49R9_1%_0.0625W_100PPM, Pin Count=2, Sense=No, SMD=Yes, Socket=No, Status="Not recommended", TC=±100ppm/°C
R61 R62 R63 R64: library part R0402_100K_1%_0.0625W_100PPM, "Resistor - 1%", Case=0402, Manufacturer=GENERIC, Manufacturer1 ComponentHeight=0.4mm, Manufacturer1 Example="YAGEO PHYCOMP", Manufacturer1 Part Number=232270671004L, Power=0.0625W, Tolerance=±1%, Author="CERN DEM JLC", Component Type=Standard, CreateDate=2007-12-03, HelpURL=\\cern.ch\dfs\Applications\Altium\Datasheets\R0402_Phycomp_RC0402.pdf, LatestRevisionDate=2012-10-17, Manufacturer Part Number=R0402_100K_1%_0.0625W_100PPM, Mounted=Yes, Part Description="General Purpose Thick Film Chip Resistor", Part Number=R0402_100K_1%_0.0625W_100PPM, Pin Count=2, Sense=No, SMD=Yes, Socket=No, Status="Not recommended", TC=±100ppm/°C
R65 R67 R70 R72: library part R0402_49R9_0.1%_0.063W_25PPM, "Resistor - 0.1%", Case=0402, Manufacturer=GENERIC, Manufacturer1 ComponentHeight=0.35mm, Manufacturer1 Example="TE CONNECTIVITY", Manufacturer1 Part Number=CPF0402B49R9E1, Power=0.063W, Tolerance=±0.1%, Author="CERN DEM JMW", Component Type=Standard, CreateDate=2015-09-22, HelpURL=\\cern.ch\dfs\Applications\Altium\Datasheets\R0402_TYCO_CPF.pdf, LatestRevisionDate=2015-09-22, Manufacturer Part Number=R0402_49R9_0.1%_0.063W_25PPM, Mounted=Yes, Part Description="Thin Film Precision Resistor", Part Number=R0402_49R9_0.1%_0.063W_25PPM, Pin Count=2, Sense=No, SMD=Yes, Socket=No, Status="Not Recommended", TC=±25ppm/°C
R66 R71: library part R0402_100R_0.1%_0.063W_25PPM, "Resistor - 0.1%", Case=0402, Manufacturer=GENERIC, Manufacturer1 ComponentHeight=0.35mm, Manufacturer1 Example="TE CONNECTIVITY", Manufacturer1 Part Number=CPF0402B100RE1, Power=0.063W, Tolerance=±0.1%, Author="CERN DEM JMW", Component Type=Standard, CreateDate=2015-09-22, HelpURL=\\cern.ch\dfs\Applications\Altium\Datasheets\R0402_TYCO_CPF.pdf, LatestRevisionDate=2015-09-22, Manufacturer Part Number=R0402_100R_0.1%_0.063W_25PPM, Mounted=Yes, Part Description="Thin Film Precision Resistor", Part Number=R0402_100R_0.1%_0.063W_25PPM, Pin Count=2, Sense=No, SMD=Yes, Socket=No, Status="Not Recommended", TC=±25ppm/°C
R77: library part R0402_1K5_1%_0.0625W_100PPM, "Resistor - 1%", Case=0402, Manufacturer=GENERIC, Manufacturer1 ComponentHeight=0.4mm, Manufacturer1 Example="YAGEO PHYCOMP", Manufacturer1 Part Number=232270671502L, Power=0.0625W, Tolerance=±1%, Author="CERN DEM JLC", Component Type=Standard, CreateDate=2007-12-03, HelpURL=\\cern.ch\dfs\Applications\Altium\Datasheets\R0402_Phycomp_RC0402.pdf, LatestRevisionDate=2012-10-17, Manufacturer Part Number=R0402_1K5_1%_0.0625W_100PPM, Mounted=Yes, Part Description="General Purpose Thick Film Chip Resistor", Part Number=R0402_1K5_1%_0.0625W_100PPM, Pin Count=2, Sense=No, SMD=Yes, Socket=No, Status="Not recommended", TC=±100ppm/°C
R91: library part R0603_33K2_0.1%_0.063W_10PPM, "Resistor - 0.1%", Case=0603, Manufacturer=GENERIC, Manufacturer1 ComponentHeight=0.5mm, Manufacturer1 Example="TYCO HOLSWORTHY", Manufacturer1 Part Number=RN73C1J33K2BTDF, Power=0.063W, Tolerance=±0.1%, Author="CERN DEM JLC", Component Type=Standard, CreateDate=2007-12-03, HelpURL=\\cern.ch\dfs\Applications\Altium\Datasheets\R0603_Tyco_RN73.pdf, LatestRevisionDate=2008-03-13, Manufacturer Part Number=R0603_33K2_0.1%_0.063W_10PPM, Mounted=Yes, Part Description="Thin Film Chip Resistor", Part Number=R0603_33K2_0.1%_0.063W_10PPM, Pin Count=2, Sense=No, SMD=Yes, Socket=No, Status="Not recommended", TC=±10ppm
R92 R94 R95 R97: library part R0402_200R_1%_0.0625W_100PPM, "Resistor - 1%", Case=0402, Manufacturer=GENERIC, Manufacturer1 ComponentHeight=0.4mm, Manufacturer1 Example="YAGEO PHYCOMP", Manufacturer1 Part Number=232270672001L, Power=0.0625W, Tolerance=±1%, Author="CERN DEM JLC", Component Type=Standard, CreateDate=2007-12-03, HelpURL=\\cern.ch\dfs\Applications\Altium\Datasheets\R0402_Phycomp_RC0402.pdf, LatestRevisionDate=2012-10-17, Manufacturer Part Number=R0402_200R_1%_0.0625W_100PPM, Mounted=Yes, Part Description="General Purpose Thick Film Chip Resistor", Part Number=R0402_200R_1%_0.0625W_100PPM, Pin Count=2, Sense=No, SMD=Yes, Socket=No, Status="Not recommended", TC=±100ppm/°C
R100: library part R0603_115K_0.1%_0.063W_10PPM, "Resistor - 0.1%", Case=0603, Manufacturer=GENERIC, Manufacturer1 ComponentHeight=0.5mm, Manufacturer1 Example="TYCO HOLSWORTHY", Manufacturer1 Part Number=RN73C1J115KBTDF, Power=0.063W, Tolerance=±0.1%, Author="CERN DEM JLC", Component Type=Standard, CreateDate=2007-12-03, HelpURL=\\cern.ch\dfs\Applications\Altium\Datasheets\R0603_Tyco_RN73.pdf, LatestRevisionDate=2008-03-13, Manufacturer Part Number=R0603_115K_0.1%_0.063W_10PPM, Mounted=Yes, Part Description="Thin Film Chip Resistor", Part Number=R0603_115K_0.1%_0.063W_10PPM, Pin Count=2, Sense=No, SMD=Yes, Socket=No, Status="Not recommended", TC=±10ppm
TR1: library part XFMR_MINI-CIRCUITS_TC1-1-43X+, "50 Ohms 650 To 4000MHz RF Transformer", Manufacturer=MINI-CIRCUITS, Manufacturer Part Number=TC1-1-43X+, Author="CERN DEM JMW", ComponentHeight=4.06mm, Component Type=Standard, CreateDate=2016-08-10, HelpURL=\\cern.ch\dfs\Applications\Altium\Datasheets\XFMR_MINI-CIRCUITS_TC1-1-43X+.pdf, LatestRevisionDate=2016-08-10, Mounted=Yes, Part Description="50 Ohms 650 To 4000MHz RF Transformer", Part Number=XFMR_MINI-CIRCUITS_TC1-1-43X+, Pin Count=5, Sense=No, SMD=Yes, Socket=No, Status=None
TR2 TR3: library part XFMR_MINI-CIRCUITS_TCM2-43X+, "50 OHMS 10 to 4000 MHz RF Transformer", Manufacturer=MINI-CIRCUITS, Power=0.4W, Author="CERN DEM BC", ComponentHeight=4.06mm, Component Type=Standard, CreateDate=2016-02-12, HelpURL=\\cern.ch\dfs\Applications\Altium\Datasheets\XFMR_MINI-CIRCUITS_TCM2-43X+.pdf, LatestRevisionDate=2016-02-12, Manufacturer Part Number=TCM2-43X+, Mounted=Yes, Part Description="50 Ohms 10 to 4000MHz RF Transformer", Part Number=XFMR_MINI-CIRCUITS_TCM2-43X+, Pin Count=6, Sense=No, SMD=Yes, Socket=No, Status=None
U1: library part CMP-0284-00043-1, "50 Hz to 6 GHz,50 dB TruPwr™ Detector, 3µs Response Time, CP-16-10, Pb-Free, 64 Tray", RF Frequency (MHz)=6GHz, Supply Current=60mA, Temp Stability (dB)=500mdB, Voltage Supply (V)="4.5 to 5.5", Code_JEDEC=MO-220-VGGC, ComponentLink1Description="Manufacturer URL", ComponentLink1URL=www.analog.com, ComponentLink2Description=Datasheet, ComponentLink2URL=http://www.analog.com/static/imported-files/data_sheets/AD8363.pdf, ComponentLink3Description="Package Specification", ComponentLink3URL=http://www.analog.com/static/imported-files/packages/PKG_PDF/LFCSP(CP)/CP_16_10.pdf, DatasheetVersion="Rev. A", Dynamic Range (dB)=50dB, Output Response="Linear in dB", PackageDescription="16-Lead Lead Frame Chip Scale Package [LFCSP_VQ]", PackageReference=CP-16-10, PackageVersion=010606-0, Product Description="125°C Operation, Broadband", Response Time (ns typ)=3µs

## Free pads (board coordinates)
  round 4 hole 2.6: 0(50,63.5) 0(127.5,63.5) 1(50,36.25) 1(127.5,36.5)

## Via types
v1: diameter 0.5, hole 0.2, Top Layer to Bottom Layer, 384 vias
v2: diameter 0.6, hole 0.3, Top Layer to Bottom Layer, 6 vias
v3: diameter 0.8, hole 0.4, Top Layer to Bottom Layer, tented top, 4 vias

## Nets (pads, with @x,y where several pads share a name; then routed paths per layer and width w, separated by ;. In a path a pad name is that pad's centre, name@x,y a point inside that pad or via, vN(x,y) a via of type N, cw(c..) or ccw(c..) an arc to the next point about the centre after c; other vN are vias at no path point)
ADC1_IN_N: C63A.1 J3.1 R42A.1 | length 35.1
  Bottom Layer w0.3: R42A.1@89.04,53.3 89.8,53.3 C63A.1@90.1,53 90.95,53 91.45,53.5 91.8,53.5 ccw(c91.8,56.514) 93.931,54.383 95.705,56.156 cw(c97.501,54.36) 97.501,56.9 110.134,56.9 ccw(c110.134,58.266) 111.1,57.3 cw(c111.583,56.817) 111.583,57.5 113.599,57.5 cw(c113.599,54.96) 115.395,56.756 115.676,56.476 ccw(c116.905,57.705) 116.905,55.967 117.3,55.967 cw(c117.3,53.552) 119.007,55.259 J3.1@121,53.267
ADC1_IN_P: C63A.2 J1.1 R40A.1 | length 35.1
  Bottom Layer w0.3: R40A.1@89.04,54.3 89.8,54.3 C63A.2@90.1,54.6 90.95,54.6 91.45,54.1 91.8,54.1 ccw(c91.8,56.514) 93.507,54.807 95.28,56.58 cw(c97.501,54.36) 97.501,57.5 110.134,57.5 ccw(c110.134,58.266) 110.676,57.724 cw(c111.583,56.817) 111.583,58.1 113.599,58.1 cw(c113.599,54.96) 115.82,57.18 116.1,56.9 ccw(c116.905,57.705) 116.905,56.567 117.3,56.567 ccw(c117.3,58.981) 119.007,57.274 J1.1@121,59.267
ADC2_IN_N: C63B.1 J6.1 R42B.1 | length 29.7
  Bottom Layer w0.3: R42B.1@94.9,38 96,38 C63B.1@96.4,37.6 ; C63B.1@96.4,37.7 97.25,37.7 97.75,38.2 98.4,38.2 ccw(c98.4,39.283) 99.166,38.517 102.476,41.827 cw(c104.1,40.203) 104.1,42.5 108.551,42.5 ccw(c108.551,45.273) 110.512,43.312 110.9,43.7 cw(c111.624,42.976) 111.624,44 113.134,44 cw(c113.134,43.234) 113.676,43.776 ccw(c114.422,44.522) 114.422,43.467 117.4,43.467 cw(c117.4,41.294) 118.936,42.83 J6.1@121,40.767
ADC2_IN_P: C63B.2 J4.1 R40B.1 | length 29.7
  Bottom Layer w0.3: R40B.1@94.9,39 96.2,39 C63B.2@96.4,39.2 ; C63B.2@96.4,39.3 97.25,39.3 97.75,38.8 98.4,38.8 ccw(c98.4,39.283) 98.741,38.941 102.227,42.427 cw(c103.851,40.803) 103.851,43.1 108.551,43.1 ccw(c108.551,45.273) 110.088,43.736 110.476,44.124 cw(c111.624,42.976) 111.624,44.6 113.134,44.6 cw(c113.134,43.234) 114.1,44.2 ccw(c114.422,44.522) 114.422,44.067 117.4,44.067 ccw(c117.4,46.239) 118.936,44.703 J4.1@121,46.767
ADC_CH0: J13.37 | length 0.1
  Bottom Layer w0.3: v1@129.6,45.5 v1(129.6,45.603)
ADC_CH2: J13.39
  other v1: 128,44.968
ADC_CH3: J13.40 U1.8 | length 41
  Top Layer w0.3: U1.8@87.775,46.3 87.856,46.219 88.981,46.219 89.3,45.9 89.3,44.523 89.525,44.298 90.675,44.298 90.677,44.3 93.8,44.3 95,43.1 v1@95,42.2
  MidLayer2 w0.3: v1(95,42.1) 100.9,42.1 101.9,43.1 110.9,43.1 112.768,44.968 v1(124.4,44.968)
  Bottom Layer w0.3: v1@124.296,44.968 v1(124.4,44.968) v1@124.4,45
ADC_VCM: J13.33 L2A.1 L2B.1 | length 120.1
  MidLayer2 w0.17: v1(90.83,41.2) 90.83,38.37 93.5,35.7 105.663,35.7 105.663,35.701 105.948,35.987 106.352,35.987 106.637,35.701 106.637,35.7 116,35.7 117.2,36.9 118.579,36.9 119.479,37.8 123.1,37.8 128.7,43.4 128.7,45.973 v1(129.6,46.873)
  MidLayer3 w0.17: v1(85.67,56.2) 85.97,56.5 115.4,56.5 116.8,55.1 116.8,43.8 113.935,40.935 104.858,40.935 104.166,40.243 91.787,40.243 v1(90.83,41.2)
  other v1: 90.23,41.2 85.07,56.2
ATT2_CTRL.CLK: IC3.21 J13.6 | length 68.9
  Top Layer w0.2: IC3.21@63.147,59.545 63.147,58.715 v1(63.197,58.665)
  MidLayer2 w0.17: v1(63.197,58.665) 64.657,57.205 65.045,57.205 65.575,56.675 65.575,56.287 66.527,55.335 69.372,55.335 69.737,55.7 70.181,55.7 74.381,59.9 104.061,59.9 106.202,57.76 120.57,57.76 120.73,57.6 124.153,57.6 125.99,55.763 v1(126,55.763)
ATT2_CTRL.LE: IC3.22 J13.3 | length 69.6
  Top Layer w0.2: IC3.22@63.647,59.545 63.647,58.993 63.965,58.675 v1(63.965,58.665)
  MidLayer2 w0.17: v1(63.965,58.665) 64.108,58.665 66.338,56.435 67.192,56.435 67.577,56.05 69.445,56.05 73.676,60.281 105.625,60.281 105.815,60.091 111.185,60.091 111.272,60.178 118.411,60.178 120.507,58.082 121.418,58.082 121.5,58 124.276,58 125.778,56.498 127.867,56.498 v1(128,56.365)
ATT2_CTRL.RST: IC3.20 J13.4 | length 69
  Top Layer w0.2: v1(62.33,58.665) 62.647,58.983 IC3.20@62.647,59.545
  MidLayer2 w0.17: v1(62.33,58.665) 64.16,56.835 64.892,56.835 65.205,56.522 65.205,55.886 66.955,54.136 69.911,54.136 69.947,54.1 70.4,54.1 75.878,59.578 103.441,59.578 105.581,57.438 116.762,57.438 117.835,56.365 124.367,56.365 v1(124.4,56.398)
ATT2_CTRL.S_IN: IC3.24 J13.9 | length 71.2
  Top Layer w0.2: IC3.24@64.697,59.595 64.697,59.033 v1@65.015,58.715
  MidLayer2 w0.17: v1(65.015,58.665) 65.015,58.491 66.406,57.1 69.5,57.1 73.003,60.603 105.758,60.603 105.948,60.413 111.052,60.413 111.139,60.5 124.177,60.5 125.842,58.835 126.642,58.835 128.63,56.847 128.63,55.43 v1(129.6,54.46)
DAC1_OUT_N: C30.1 J9.1 R67.1 R68.1 | length 12.4
  Top Layer w0.3: R68.1@99.474,45.36 100.254,45.36 C30.1@100.304,45.31 100.324,45.33 101.104,45.33 cw(c101.104,43.634) 102.8,43.634 102.8,43.1 102.8,40.9 ccw(c103.65,40.9) 103.65,40.05 104.1,40.05 104.112,40.062 ; 104.1,40.062 ccw(c104.1,40.662) 104.112,40.062 ; J9.1@105.45,42.75 105.05,42.75 104.7,42.4 104.7,40.662 cw(c104.1,40.662) 104.7,40.65 cw(c104.1,40.662) 104.112,40.062
DAC1_OUT_P: C30.2 J7.1 R60.1 R65.2 | length 12.5
  Top Layer w0.3: R60.1@99.474,44.36 100.254,44.36 C30.2@100.304,44.41 100.324,44.43 101.351,44.43 cw(c101.351,43.581) 102.2,43.581 102.2,40.9 ccw(c103.65,40.9) 103.65,39.45 104.1,39.45 cw(c104.1,38.85) 104.7,38.85 104.7,37.2 J7.1@105.15,36.75 ; J7.1@105.15,36.75 J7.1@105.45,36.75 J7.1@105.15,36.75
DAC2_OUT_N: C45.2 J12.1 R69.1 R70.2 | length 12.8
  Top Layer w0.3: R69.1@98.976,55.647 99.806,55.647 100.636,55.647 ccw(c100.683,55.647) 100.683,55.6 101.8,55.6 ccw(c101.8,56) 102.2,56 102.2,59.1 cw(c103.65,59.1) 103.65,60.55 104.1,60.55 ccw(c104.1,61.15) 104.7,61.15 104.7,62.8 105.15,63.25 J12.1@105.45,63.25
DAC2_OUT_P: C45.1 J10.1 R72.1 R73.1 | length 13.1
  Top Layer w0.3: R73.1@98.976,54.647 101.447,54.647 ccw(c101.447,56) 102.8,56 102.8,59.1 cw(c103.65,59.1) 103.65,59.95 104.1,59.95 104.112,59.938 ; 104.1,59.938 cw(c104.1,59.338) 104.112,59.938 ; J10.1@105.45,57.25 105.05,57.25 104.7,57.6 104.7,59.338 ccw(c104.1,59.338) 104.7,59.35 ccw(c104.1,59.338) 104.112,59.938
DAC2_PD: J13.38 R26.2 R27.2 | length 42.3
  Top Layer w0.3: R26.2@86.577,43.715 R27.2@87.477,43.715 93.285,43.715 94,43 v1(94,42.1)
  MidLayer2 w0.3: v1(94,42.1) 94.9,43 100.3,43 102.982,45.682 106.349,45.682 106.531,45.5 121.501,45.5 121.604,45.603 v1(126,45.603)
  Bottom Layer w0.3: v1(126,45.603) v1@126,45.638
Disable_Output: IC11.1 J13.10 R38.1 | length 33
  MidLayer2 w0.17: v1(97.1,48.6) 97.1,50.7 100.7,54.3 112.5,54.3 112.9,54.7 114.261,54.7 114.526,54.435 115.507,54.435 115.564,54.378 120.436,54.378 120.509,54.452 121.491,54.452 121.742,54.2 123.543,54.2 123.836,54.493 v1(126,54.493)
GND: C1A.1 C1B.1 C2A.1 C2B.1 C3A.1 C3B.1 C5A.1 C5B.1 C6A.1 C6B.1 C7A.1 C7B.1 C8A.1 C8B.1 C9A.1 C9B.1 C10.2 C11.1 C12.1 C13.1 C14.1 C15.1 C16.1 C17.1 C18.1 C19.1 C20.1 C21.1 C22.1 C23.1 C24.1 C25.1 C26.1 C27.1 C32.2 C33A.1 C33B.1 C34A.2 C34B.2 C35A.1 C35B.1 C38.2 C39.1 C40.1 C41A.1 C41B.1 C42A.1 C42B.1 C43.1 C48.1 C51.1 C52.1 C53.1 C54.1 C55.1 C57.2 C59.1 C60.1 C61.2 C62.2 C64.2 C65.1 C66.2 C67.1 C68.1 C69.1 C70.1 C71.1 C72.1 C74.1 C75.2 C76.1 C84.1 C85.2 C87.1 C93.1 C94.1 C95.1 C96.1 C97.1 C98.1 C99.1 C100.1 C101.1 C103.1 C109.1 C110.1 C111.1 C112.1 C116.2 FL2.2 FL2.4 FL3.2 FL3.4 FL4.2 FL4.4 IC1.3 IC1.4 IC1.11 IC1.17 IC2A.17 IC2B.17 IC3.1 IC3.3 IC3.5 IC3.12 IC3.14 IC3.16 IC3.17 IC3.18 IC3.23 IC3.25 IC4.1 IC4.3 IC4.4 IC4.6 IC4.7 IC5.2 IC5.4 IC6A.2 IC6A.9 IC6B.2 IC6B.9 IC7.0 IC7.10 IC7.11 IC8.5 IC8.8 IC8.11 IC9.1 IC10.1 IC10.2 IC10.5 IC10.8 IC10.11 IC10.14 IC10.17 IC10.18 IC10.20 IC10.23 IC10.25 IC11.2 IC11.5 IC11.8 IC11.11 IC11.12 IC11.14 IC11.17 IC11.19 IC11.20 IC11.23 IC11.25 IC12.5 IC12.8 IC12.11 IC13.5 IC13.16 IC13.17 IC14.2 IC15.5 IC15.8 IC15.11 J1.2 J3.2 J4.2 J6.2 J7.2 J9.2 J10.2 J12.2 J13.1 J13.2 J13.23 J13.24 J13.29 J13.30 J13.35 J13.36 J14.2 J15.2 R3.1 R4.1 R11A.2 R11B.2 R12A.2 R12B.2 R14A.1 R14B.1 R15A.1 R15B.1 R16A.1 R16B.1 R18.1 R19.1 R20.1 R23.1 R24A.1 R24B.1 R25.2 R27.1 R31.1 R32.1 R34A.1 R34B.1 R37A.1 R37B.1 R39.1 R43.1 R44.1 R45.1 R46.1 R47.1 R52.1 R53.1 R54.1 R55.1 R56.1 R57.2 R58.2 R61.1 R62.1 R63.1 R64.1 R65.1 R67.2 R70.1 R72.2 R90.1 R91.1 R92.1 R94.2 R95.1 R97.2 R100.1 TR1.6 U1.4 U1.9 U1.17 | length 104.9
  Top Layer w0.152: IC3.18@61.347,60.345 62.147,60.345 IC3.25@62.647,60.845 ; IC3.17@61.347,60.845 IC3.25@62.647,60.845 ; IC3.16@61.347,61.345 IC3.25@63.147,61.345 ; IC3.14@61.347,62.345 62.647,62.345 v1(62.297,62.695) 62.147,62.845 IC3.12@62.147,63.645 ; IC3.25@63.208,61.238 63.124,61.322 IC3.25@62.647,60.845 ; v1(63.397,61.595) IC3.25@63.647,61.345 ; IC3.25@63.401,62.345 IC3.5@65.447,62.345 65.995,62.345 66.285,62.635 70.937,62.635 71.697,63.395 IC5.2@71.697,63.88 ; IC3.23@64.147,59.545 IC3.25@64.147,60.845 ; IC3.1@65.447,60.345 64.647,60.345 IC3.25@64.147,60.845 ; IC5.4@71.697,59.71 71.697,60.135 70.877,60.955 66.481,60.955 66.091,61.345 IC3.3@65.447,61.345 IC3.25@63.647,61.345 ; IC3.25@63.647,61.345 IC3.25@64.147,60.845
  Top Layer w0.2: IC7.11@54.247,61.17 55.872,61.17 IC7.0@56.197,61.495 55.872,61.82 IC7.10@54.247,61.82 ; R20.1@60.267,60.865 61.327,60.865 IC3.17@61.347,60.845 ; v1(114,40.4) IC8.8@114,41.9
  Top Layer w0.3: C67.1@54.25,35.8 56.261,35.8 cw(c56.261,35.561) v1(56.43,35.73) ; v1(57.8,55.7) 57.85,55.75 C41A.1@60.87,55.75 ; IC10.23@57.95,45.35 IC10.25@59.45,45.35 ; IC10.20@57.95,46.85 IC10.25@59.45,46.85 ; v1(59.9,46.1) 60.65,46.85 IC10.11@61.85,46.85 ; IC10.25@60.35,45.35 IC10.25@60.65,45.35 ; IC10.5@60.65,44.15 IC10.25@60.65,45.35 ; IC10.25@60.65,45.65 IC10.25@60.65,45.35 ; IC10.25@60.65,47.1 IC10.14@60.65,48.05 ; IC10.8@61.85,45.35 IC10.25@60.65,45.35 ; v1(62.8,36.3) 63.2,35.9 65.31,35.9 C35B.1@65.96,36.55 ; v1(62.93,40.45) C41B.1@66.03,40.45 ; IC4.3@83.575,57 84.5,57 84.525,57.025 ; IC4.1@83.575,58.3 84.5,58.3 84.525,58.275 84.55,58.3 IC4.6@85.475,58.3 ; IC4.7@84.525,57.65 84.525,57.025 ; U1.4@84.8,47.325 85.825,47.325 U1.17@86.8,48.3 v1(87.35,47.75) 87.775,47.325 U1.9@88.8,47.325 ; IC4.4@85.475,57 84.55,57 84.525,57.025 ; IC11.17@92.96,49.28 IC11.25@94.16,49.28 ; IC11.14@92.96,50.78 IC11.25@94.16,50.78 ; IC11.20@94.16,48.08 IC11.25@94.16,49.28 ; IC11.11@94.16,51.98 IC11.25@94.16,50.78 ; IC11.23@95.66,48.08 IC11.25@95.66,49.28 ; IC11.8@95.66,51.98 IC11.25@95.66,50.78 ; IC11.2@96.86,49.28 IC11.25@95.66,49.28 ; IC11.5@96.86,50.78 IC11.25@95.66,50.78 ; IC11.25@94.16,49.28 IC11.25@94.91,50.03 ; IC11.25@94.16,50.78 v1(94.84,50.1) IC11.25@94.91,50.03 ; IC11.25@94.91,50.03 IC11.25@95.66,50.78 ; IC11.25@94.91,50.03 IC11.25@95.66,49.28
  Top Layer w0.5: v1(72.13,36.4) C34B.2@72.63,35.9 ; R27.1@87.477,44.655 88.055,44.655 v1(88.5,45.1)
  Bottom Layer w0.2: 60.83,50.1 60.87,50.14 IC6A.9@60.87,51.6 ; IC6A.2@60.87,56 60.87,57.57 60.9,57.6 60.9,57.5 ; v1(62.297,62.695) v1(64.522,62.695) ; C21.1@66.197,63.215 66.217,63.195 v1(68.047,63.195)
  Bottom Layer w0.3: v1(58.097,58.515) 58.097,57.603 58.1,57.6 ; 66,34.6 66.03,34.63 IC6B.9@66.03,36.3 ; IC6B.2@66.03,40.7 66.03,42.3 ; IC15.5@70.2,44.9 IC15.11@70.2,46.1 ; 71.2,47.3 IC15.8@71.2,47.9 ; IC12.5@99.9,55.2 IC12.11@101,55.2 ; IC12.11@101.7,54.2 IC12.8@102.9,54.2 ; v1(113.1,39.9) 113.1,39.45 C25.1@113.5,39.05